# KiCad board FPGA-BOARDver3.kicad_pcb (continued)
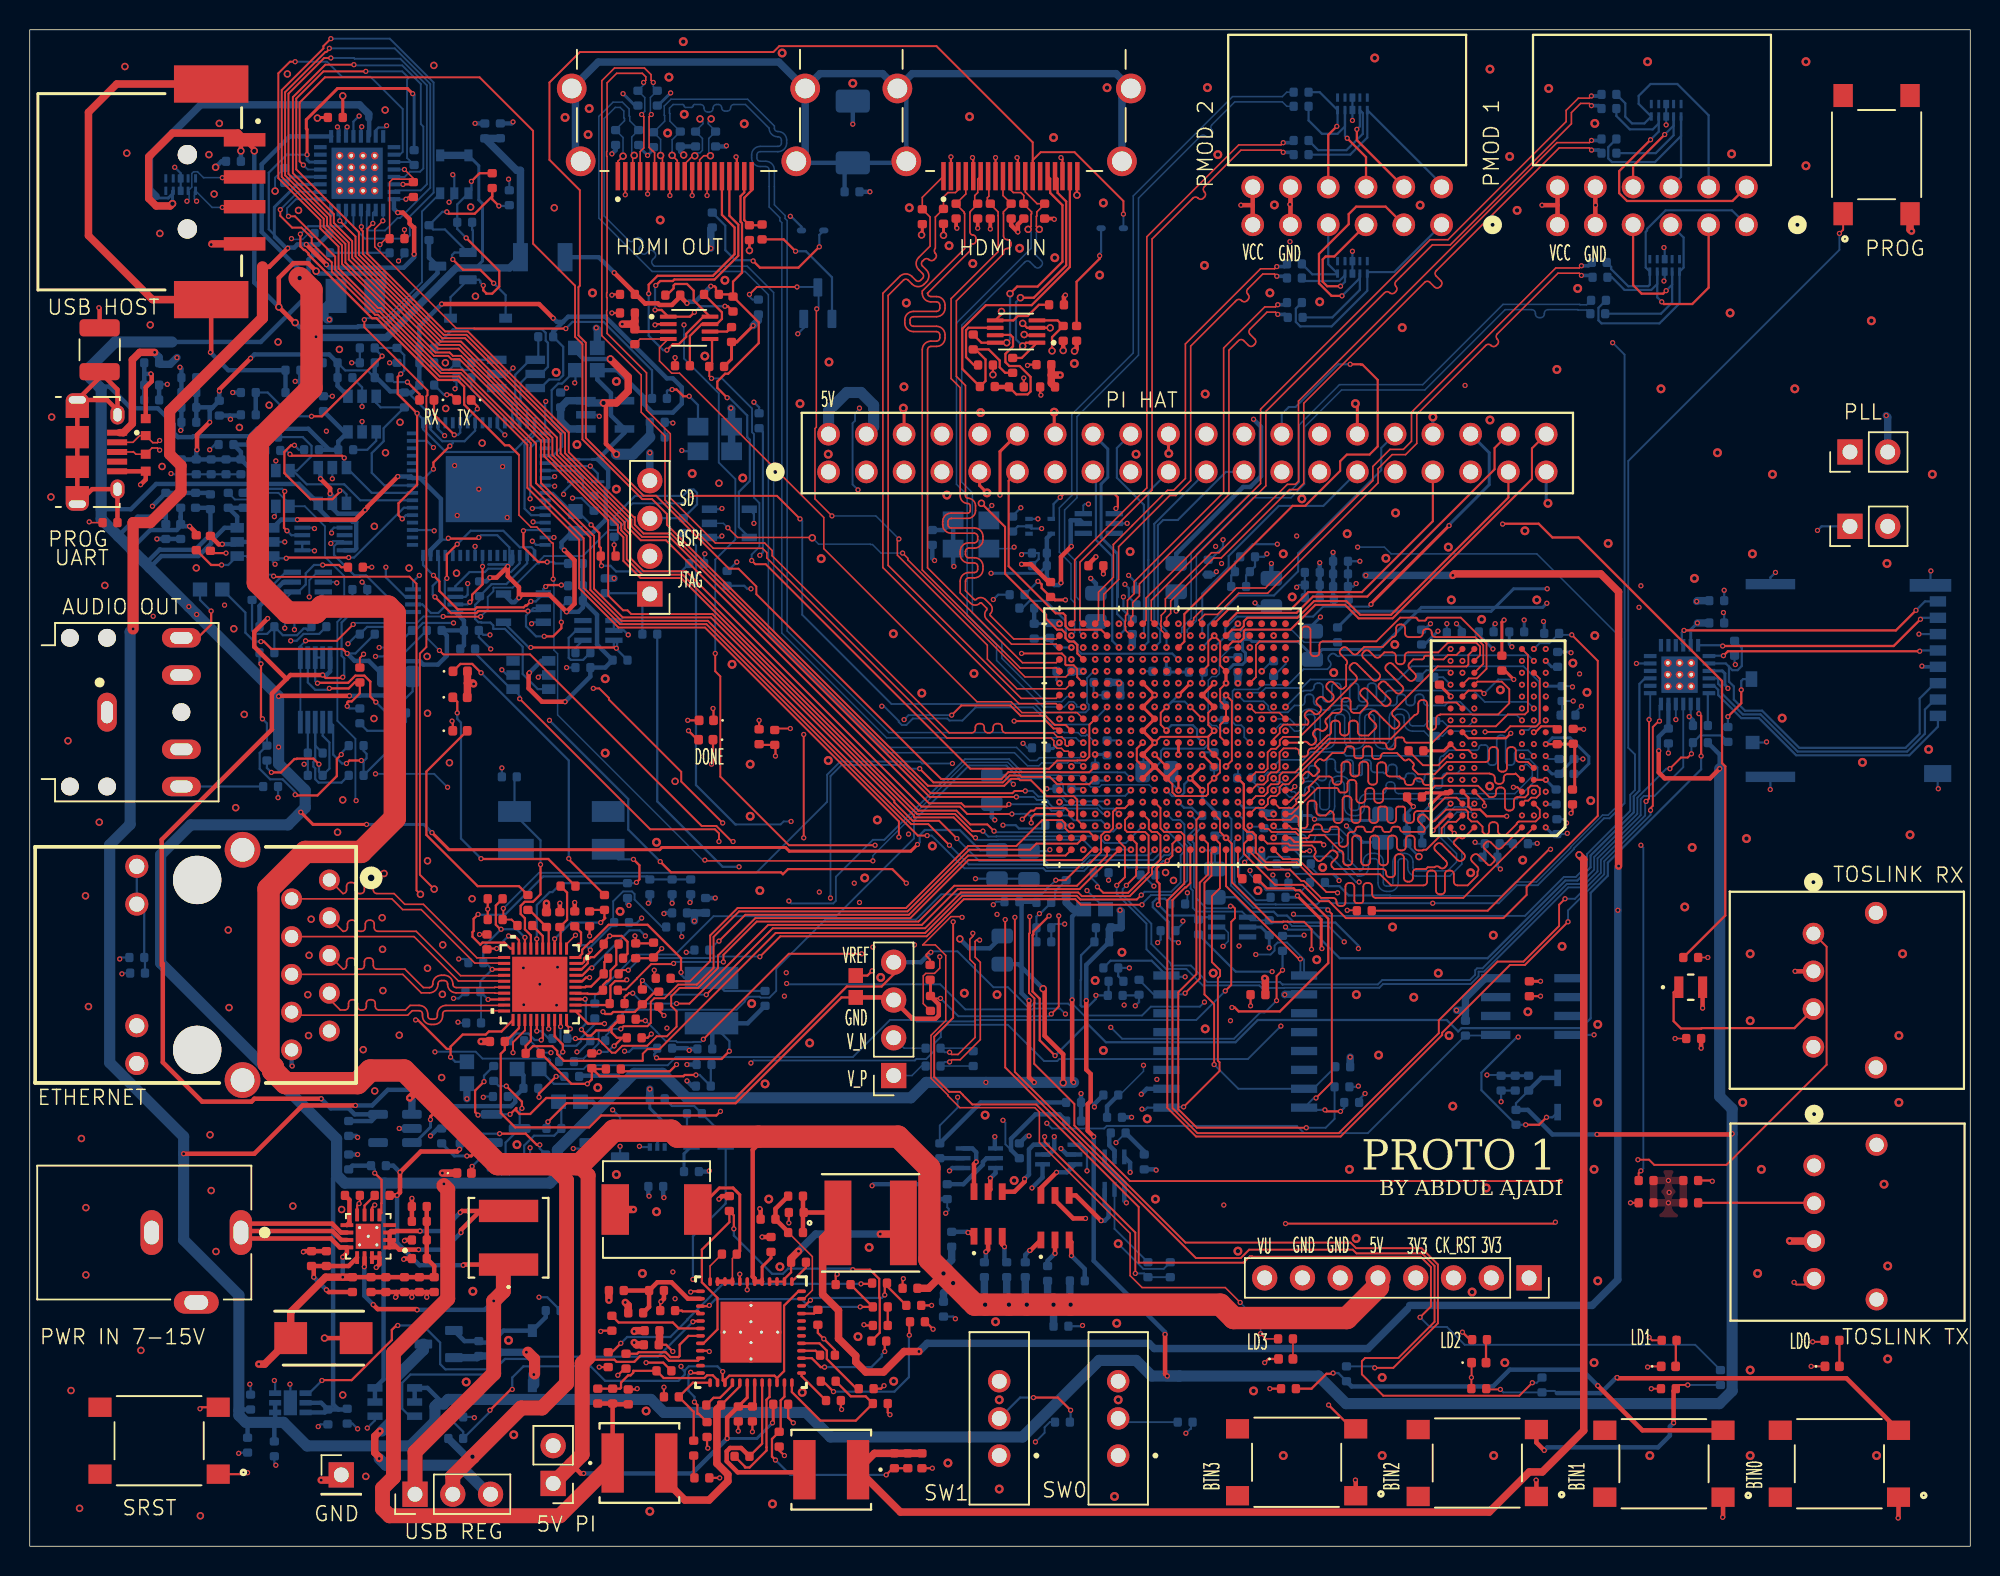
[diagram p0: board, top side]
## Routing (per net, layer and track width the routed paths; a pad name or vN(x,y) marks a point on that pad's centre or on a via; arc(x,y) is an arc through that point) (continued)
Net-(D26-PadA): length 7.3
  Top w0.15: v1(71.95,86.8) 71.95,86.6 70.4,85.05 R142.1
  Bottom w0.15: v1(71.95,86.8) 71.95,86.95 72.05,87.05 D26.A
Net-(D27-PadA): length 11.5
  Top w0.15: v1(53.1,87.4) 51.7,86 49.1,86 v1(48.65,86.45)
  Bottom w0.15: D27.A 53.1,88.2 v1(53.1,87.4) ; v1(48.65,86.45) 48.6,86.5 47.45,86.5 46.78,87.17 46.78,88.82 R143.1
Net-(DONE1-A): length 29.6
  Top w0.15: DONE1.1 45.98,56.32 v1(45.95,56.35)
  SIGNAL2.Cu w0.127: v1(64.8,63.67) 67.1,61.38 67.1,59.94 66.76,59.6 58.36,59.6 58.14,59.81 49.41,59.81 v1(45.95,56.35)
  Bottom w0.15: v1(64.8,63.67) 65.13,64 R115.2
Net-(F2-Pad2): length 5
  Top w0.15: J9.3 11.3,61.1 12.2,62 v1(12.2,62.9)
  Bottom w0.15: v1(12.2,62.9) 11.45,63.65 F2.2
Net-(IC1-ZQ): length 1.8
  Top w0.118: R95.1 95,56.75 95.95,56.75 IC1.L8
Net-(J4-Pin_1): length 5.9
  Bottom w0.15: R48.2 41.2,63.55 J4.1 41.65,64.1 R46.1
Net-(J4-Pin_3): length 11.1
  Bottom w0.15: R47.2 39.3,69.24 40.71,70.64 43.91,70.64 44.34,71.07 44.66,71.07 44.88,70.86 44.88,70.07 R49.2 41.72,69.15 J4.3
Net-(J5-Pin_1): length 73.2
  SIGNAL.Cu w0.15: J5.1 121.39,72.57 121.39,68.95 113.48,61.04 113.48,58.97 110.04,55.54 110.04,54.52 108.33,52.81 108.33,49.62 103.02,44.32 102.93,44.32 102.71,44.11 102.71,44.01 102.23,43.52 100,43.52 99.9,43.62 94.19,43.62 93.96,43.39 93.96,43.29 91.77,41.1 91,41.1 90.3,41.8 85.87,41.8 81.5,37.43 81.5,36.15 81.21,35.86 80.34,35.86 80.33,35.85 79.22,35.85 78.72,36.35 v1(74.35,36.35)
  Bottom w0.15: v1(74.35,36.35) 74.6,36.6 R40.1 74.55,37.05 R39.2
Net-(J8-Pin_1): length 68.3
  SIGNAL.Cu w0.15: v1(73.95,38.9) 77.17,38.9 78.02,39.75 81.85,39.75 84.22,42.12 92.34,42.12 95.09,44.88 96.65,44.88 96.7,44.82 97.1,44.82 97.15,44.88 102.53,44.88 102.83,44.57 102.92,44.57 108.08,49.73 108.08,58.82 109.7,60.45 111.2,60.45 113.52,62.77 113.52,62.96 118.89,68.32 v1(120.23,68.32)
  Bottom w0.15: J8.1 120.5,68.6 v1(120.23,68.32) ; R41.2 73.2,38.35 R42.1 v1(73.95,38.9)
Net-(J9-Pad2): length 5.5
  Bottom w0.15: R197.1 J9.2
Net-(J10-Pad19): length 4.5
  Top w0.15: R207.2 49.2,88.85 R154.2 48.05,89.2 48.05,90.7 48.55,91.2 J10.19
Net-(J11-Pad19): length 38.5
  Top w0.15: J11.19 70.42,92.12 v2(70.42,90.88)
  SIGNAL2.Cu w0.127: v2(70.42,90.88) 70.42,90.26 69.01,88.85 69,88.85 55.33,75.18 55.33,71.23 v1(48.5,64.4)
  Bottom w0.15: R152.1 48.05,64.6 48.25,64.4 v1(48.5,64.4)
Net-(J13-CD/DAT3^2): length 20.3
  Bottom w0.15: U13.22 113.5,58.37 113.55,58.32 113.55,58 113.8,57.75 113.8,57.35 115.2,55.95 116.39,55.95 118.89,53.45 126.25,53.45 127.45,54.65 127.45,56.27 128.12,56.95 J13.2
Net-(J13-CLK): length 15.6
  Top w0.15: v1(113.9,59.9) 114.2,60.2 v1(127.1,60.2)
  Bottom w0.15: J13.5 127.15,60.25 v1(127.1,60.2) ; U13.19 112.95,59.9 v1(113.9,59.9)
Net-(J13-CMD): length 25
  Bottom w0.15: 114.27,59.15 114.27,58.16 114.6,57.83 114.6,56.95 115.35,56.2 116.5,56.2 119,53.7 126.15,53.7 127.1,54.65 127.1,57.02 128.12,58.05 J13.3 ; 114.27,59.15 114.27,59.16 114.06,59.38 U13.20 ; 114.27,59.15 114.5,58.92 114.86,58.92 115.14,59.2 115.14,60.41 R186.1
Net-(J13-DAT0): length 16.9
  Top w0.15: v1(113.85,60.55) 125.35,60.55 v1(127.15,62.35)
  Bottom w0.15: v1(113.85,60.55) 113.8,60.6 U13.18 ; v1(127.15,62.35) 127.25,62.45 J13.7
Net-(J13-DAT1): length 19
  Top w0.15: v1(111.25,61.6) 125.5,61.6 v1(126.85,62.95)
  Bottom w0.15: U13.16 111.1,60.7 111.1,61.45 v1(111.25,61.6) ; v1(126.85,62.95) 127.45,63.55 J13.8
Net-(J13-DAT2): length 19.4
  Bottom w0.15: 113.3,57.87 U13.23 113.28,57.87 113.55,57.6 113.55,57.25 115.1,55.7 116.29,55.7 118.79,53.2 126.4,53.2 128.32,55.12 J13.1
Net-(J13-DETECT_SWITCH): length 4.2
  Top w0.15: v1(115.1,57.6) 115.1,56.7 v1(114.2,55.8)
  Bottom w0.15: v1(115.1,57.6) 115.1,58.2 115.23,58.32 J13.10 ; R184.2 v1(114.2,55.8)
Net-(J16-SHIELD): length 21.6
  Top w0.3: R112.1 J16.SH6 4.2,71.1 J16.SH4 J16.SH2 J16.SH3 J16.SH1 ; J16.SH1 5.2,77.1 5.9,76.4 J16.SH5 5.9,77.8 C203.1 4.7,78.6 J16.SH1
Net-(P1-P1): length 15.2
  Bottom w0.15: P1.1 114.48,89.85 110.01,89.85 108.76,88.6 108.76,88.49 108.67,88.41 108.67,86.01 U29.5 108.95,84.85 108.85,84.75 107.5,84.75 106.35,85.9 106.35,86.05 R71.2
Net-(P1-P2): length 14.8
  Top w0.15: P1.2 112.91,84.66 111.8,83.55 109.9,83.55 v1(109.75,83.7)
  Bottom w0.15: R72.2 106.4,85.35 107.25,84.5 109.05,84.5 109.45,84.9 U29.4 109.45,84 v1(109.75,83.7)
Net-(P1-P3): length 13.4
  Bottom w0.15: R73.2 105.49,83.29 105.49,82.45 105.7,82.25 109.6,82.25 110.95,83.6 U29.1 111.23,86.01 111.23,88.02 P1.3
Net-(P1-P4): length 14.9
  Top w0.15: v1(110.05,84.45) 109.85,84.25 108.4,84.25 107.83,84.82 P1.4
  Bottom w0.15: v1(110.05,84.45) 110.45,84.85 U29.2 110.45,83.65 109.7,82.9 R74.2
Net-(P1-P7): length 19.8
  Top w0.15: P1.7 114.51,90.48 107.42,90.48 106.89,91.01 106.89,92.49 v1(109,94.6)
  Bottom w0.15: v1(109,94.6) 109.55,95.15 U30.4 109.55,95.7 109.15,95.3 107.6,95.3 106.7,96.2 R79.2
Net-(P1-P8): length 16.3
  Bottom w0.15: R80.2 107.3,97.05 107.3,96.15 107.75,95.7 108.58,95.7 U30.5 108.2,97.01 108.2,97.55 109,98.35 110.8,98.35 112.91,96.24 P1.8
Net-(P1-P9): length 13.6
  Bottom w0.15: P1.9 111.05,92.11 U30.1 111.05,94.85 109.3,93.1 106.4,93.1 106.16,93.34 106.16,94.1 R81.2
Net-(P1-P10): length 11.5
  Top w0.15: v1(109.95,94.95) 107.83,92.83 P1.10
  Bottom w0.15: R82.2 109.35,93.7 110.55,94.9 U30.2 110.55,95.55 v1(109.95,94.95)
Net-(P2-P1): length 14.9
  Bottom w0.15: R67.2 85.14,83.24 85.14,82.35 85.44,82.05 87.55,82.05 89.95,84.45 U27.1 90.05,85.7 91.76,85.7 P2.1
Net-(P2-P2): length 19.5
  Top w0.15: v1(88.25,84.1) 87.55,84.1 86.7,84.95 86.7,86.92 88.7,88.92 88.7,89.6 89.2,90.1 91.19,90.1 P2.2
  Bottom w0.15: R68.2 87.6,82.65 89.45,84.5 U27.2 89.45,85.3 v1(88.25,84.1)
Net-(P2-P3): length 10.9
  Top w0.15: v1(88.15,84.75) 87.25,84.75 86.95,85.05 86.95,86.55 87.15,86.75 87.73,86.75 P2.3
  Bottom w0.15: v1(88.15,84.75) 88.45,85.05 U27.4 88.45,85.48 88.07,85.1 85.75,85.1 R69.2
Net-(P2-P4): length 6.2
  Bottom w0.15: R70.2 86.25,85.55 87.9,85.55 U27.5 87.33,86.22 P2.4
Net-(P2-P7): length 13.5
  Bottom w0.15: R75.2 88.8,93.6 89.95,94.75 U28.1 94.95,91.6 P2.7
Net-(P2-P8): length 12.6
  Top w0.15: v1(89.25,95.3) 89.25,94.58 P2.8
  Bottom w0.15: R76.2 86.65,93.9 88.55,93.9 89.65,95 89.65,96.4 U28.2 89.45,95.5 v1(89.25,95.3)
Net-(P2-P9): length 10.8
  Top w0.15: v1(88.6,94.7) 89.87,93.43 P2.9
  Bottom w0.15: R77.2 86,95.9 86.9,95 87.95,95 88.45,95.5 U28.4 88.45,94.85 v1(88.6,94.7)
Net-(P2-P10): length 7.9
  Top w0.15: v1(87.9,95.5) 87.33,94.93 P2.10
  Bottom w0.15: v1(87.9,95.5) 87.95,95.55 U28.5 86.75,97.8 R78.2
Net-(PWR1-A): length 51.1
  Top w0.15: PWR1.2 44.9,54.25 v1(44.3,54.85)
  SIGNAL2.Cu w0.127: v1(12.1,73.75) 12.7,73.15 12.7,70.04 10.34,67.67 10.34,63.02 12.59,60.76 15.12,60.76 17.04,58.85 19.44,58.85 19.55,58.96 19.85,58.96 19.96,58.85 21.2,58.85 21.65,58.4 27.75,58.4 31.3,54.85 v1(44.3,54.85)
  Bottom w0.15: v1(12.1,73.75) 12.45,74.1 R111.2
Net-(Q8-Pad3): length 6.5
  SIGNAL.Cu w0.15: v1(33.65,26.8) 33.65,26.88 34.14,27.38 35.92,27.38 v1(36.55,26.75)
  Bottom w0.15: R94.2 33.65,26.4 v1(33.65,26.8) ; Q8.3 37.18,26.75 v1(36.55,26.75)
Net-(Q9-Pad1): length 8.5
  Top w0.15: v1(51.5,87.1) 50.7,87.9 R207.1
  Bottom w0.15: 53.95,82.58 53.95,85.35 52.2,87.1 v1(51.5,87.1)
Net-(R10-Pad1): length 8.7
  Bottom w0.15: R9.1 17.03,61.27 17.97,61.27 18.42,61.72 18.58,61.72 18.69,61.61 18.72,61.61 R10.1 ; R9.1 R11.1 ; R9.1 15.97,61.36 15.18,61.36 14.95,61.59 R3.2
Net-(R15-Pad1): length 29.8
  Top w0.127: R15.1 98,10.55 v1(98.9,10.55)
  Top w0.3: S7.3 122.17,11.3 106.8,11.3 v1(106.75,11.35)
  Bottom w0.127: 102.7,10.3 102.55,10.45 101.8,10.45 R27.1 99.1,10.35 v1(98.9,10.55)
  Bottom w0.3: 102.7,10.3 105.65,10.3 106.7,11.35 v1(106.75,11.35)
Net-(R21-Pad1): length 31.7
  Top w0.15: R21.1 86.2,10.6 87.2,11.6 87.6,11.6 v1(87.65,11.65)
  Top w0.3: v1(105.45,10.8) 108.45,7.8 S6.3
  Bottom w0.15: v1(87.65,11.65) 88,11.65 R26.1
  Bottom w0.3: v1(105.45,10.8) 104.37,11.88 99.53,11.88 98.4,10.75 88.9,10.75 R26.1
Net-(R22-Pad1): length 16.9
  Top w0.127: R22.1 110.95,10.85 v1(111.5,10.85)
  Top w0.3: v1(101.85,6.45) 101.32,6.98 S8.3 ; R22.1 110.55,10.45 v1(110.55,8.3)
  Bottom w0.127: R25.1 v1(111.5,10.85)
  Bottom w0.3: v1(110.55,8.3) 110.3,8.05 110.3,7.45 109.5,6.65 102.05,6.65 v1(101.85,6.45)
Net-(R23-Pad1): length 85.1
  Top w0.15: R23.1 49.1,53.9 R24.1 50.15,53.85 v1(50.15,53.15) ; v1(87.35,9.5) 88.95,7.9 S9.3
  SIGNAL2.Cu w0.127: v1(87.35,9.5) 86.35,9.5 83.41,12.44 83.41,12.5 83.2,12.71 83.2,14.49 83.36,14.65 83.36,16.93 84.06,17.63 84.06,18.47 83.47,19.06 56.12,19.06 46.09,29.1 46.09,38.22 47.01,39.15 47.01,41.49 46.4,42.1 46.4,43.39 46.51,43.5 46.51,45.27 45.9,45.89 45.9,48.9 v1(50.15,53.15)
Net-(R33-Pad1): length 4.7
  SIGNAL.Cu w0.3: v1(68.9,27.55) 68.45,28 67.6,28 v1(67.2,27.6)
  Bottom w0.3: v1(67.2,27.6) 67.05,27.6 R33.1 ; v1(68.9,27.55) 68.9,26.7 68.55,26.35 U32.2
Net-(R34-Pad1): length 5.8
  Bottom w0.127: R34.1 72.95,21.35 U33.5
Net-(R35-Pad1): length 1.8
  Bottom w0.3: U33.2 72.95,26.61 72.6,26.96 72.6,27.7 R35.1
Net-(R44-Pad1): length 95.5
  Top w0.15: v1(14.65,4.95) 14.55,4.85 S2.1
  SIGNAL.Cu w0.15: v1(83.55,38.65) 83.55,37.27 76.06,29.77 72.92,29.77 67.65,24.5 67.25,24.5 61.83,19.07 51.98,19.07 51.23,18.32 48.28,18.32 47.92,18.67 43.48,18.67 v1(43.25,18.45)
  SIGNAL2.Cu w0.15: v1(14.65,4.95) 15.53,5.82 21.98,5.82 22.55,5.25 35.25,5.25 36.4,6.4 36.4,11.4 43.25,18.25 v1(43.25,18.45)
  Bottom w0.15: R44.1 81.1,38.65 v1(83.55,38.65)
Net-(R61-Pad1): length 4.1
  Bottom w0.3: U31.5 64.35,26.1 64.1,25.85 64.1,25.66 62.79,24.35 R61.1
Net-(R62-Pad1): length 1.6
  Bottom w0.3: U31.2 R62.1
Net-(R63-Pad1): length 5.9
  SIGNAL.Cu w0.3: v1(69.35,26.75) 69.35,27.3 v1(71.6,29.55)
  Bottom w0.3: R63.1 71.6,29.75 v1(71.6,29.55) ; v1(69.35,26.75) 69.75,26.35 U32.5
Net-(RX1-A): length 2.9
  Top w0.15: RX1.2 26.22,77.48 v1(25.4,78.3)
  Bottom w0.15: R219.2 24.5,78.3 v1(25.4,78.3)
Net-(SW0-B): length 4.1
  Bottom w0.127: SW0.2 73.45,8.35 R29.1
Net-(SW1-B): length 6.6
  Top w0.15: v1(70,9.15) 69.15,10 v1(67.5,10)
  Bottom w0.15: SW1.2 66.6,10 v1(67.5,10) ; R28.1 70,8.4 v1(70,9.15)
Net-(TX1-A): length 1.9
  Top w0.15: TX1.2 28.37,77.45 v1(28.05,77.45)
  Bottom w0.15: v1(28.05,77.45) 27.85,77.45 R220.2
Net-(U1C-PS_DDR_VRN_502): length 18.9
  Top w0.118: v1(87.95,43.95) 87.9,44 87.2,44 85.2,46 83.12,46 82.45,46.67 ; R7.2 89.23,42.77 v1(88.6,42.77)
  Top w0.127: U1.G5 81.64,51.26 81.64,48.29 81.89,48.04 82.21,48.04 82.44,47.81
  Top w0.14: 82.45,46.67 82.45,47.81 82.22,48.05 81.88,48.05 81.65,48.28 81.65,51.25 U1.G5
  SIGNAL.Cu w0.118: v1(87.95,43.95) 87.95,43.42 v1(88.6,42.77)
Net-(U1C-PS_DDR_VRP_502): length 0.8
  Bottom w0.127: R6.2 81.25,51.72 v1(81.25,52.45)
Net-(U1D-PS_MIO16_501): length 27.1
  Top w0.127: v1(46.35,40.7) 48.12,42.47 59.12,42.47 63.11,46.46 69.66,46.46 U1.A19
  Bottom w0.127: R239.1 46.3,40.7 v1(46.35,40.7)
Net-(U1D-PS_MIO17_501): length 47.4
  Top w0.127: U1.E14 73.64,49.64 73.09,49.64 72.85,49.4 72.85,48.28 72.61,48.04 72.29,48.04 72.05,47.8 72.05,46.7 71.2,45.85 70.7,45.85 69.65,44.8 v1(69,44.8)
  Bottom w0.127: 36.55,32.8 37.24,32.8 38.26,33.81 38.26,34.6 38.31,34.65 38.73,34.65 39.86,35.78 39.86,35.81 40.14,36.09 47.54,36.09 48.09,36.64 48.09,36.69 48.36,36.96 49.09,36.96 49.16,36.9 49.74,36.9 50.2,37.36 50.2,38.84 53.51,42.15 59.6,42.15 61.3,43.85 68.05,43.85 68.41,44.21 68.41,44.26 68.54,44.39 68.59,44.39 v1(69,44.8)
Net-(U1D-PS_MIO18_501): length 39.8
  Top w0.127: v1(39.75,34.8) 39.93,34.98 41.54,34.98 41.76,35.2 41.76,36.62 42,36.86 42.69,36.86 43.61,37.78 44.86,37.78 45.99,38.91 45.99,40.99 47.7,42.7 59.03,42.7 63.18,46.85 67.28,46.85 67.69,47.26 70.46,47.26 U1.B18
  Bottom w0.127: 38.75,34.35 39.2,34.8 v1(39.75,34.8)
  Bottom w0.15: 38.75,34.2 38.75,34.35
Net-(U1D-PS_MIO19_501): length 57.1
  SIGNAL.Cu w0.127: v1(35.05,33.2) 35.37,32.88 41.47,32.88 41.56,32.97 41.56,33.09 41.91,33.44 42.03,33.44 45.14,36.54 45.14,37.25 49.57,41.69 60.91,41.69 62.4,40.2 69.81,40.2 71.33,41.72 75.75,41.72 77.06,43.02 77.06,44.28 77.56,44.78 77.56,46.03 76.89,46.7 76.89,48.92 77.24,49.27
  Bottom w0.127: R237.1 33.65,34 34.45,33.2 v1(35.05,33.2)
  vias: v1(77.25,49.25)
Net-(U1D-PS_MIO20_501): length 43.8
  Top w0.127: v1(36.7,34.15) 36.74,34.11 38.23,34.11 39.14,33.2 39.39,33.2 39.85,33.66 41.53,33.66 42.16,34.3 42.85,34.3 43.5,34.95 43.5,35.99 43.14,36.35 43.14,36.99 43.7,37.55 44.95,37.55 46.29,38.89 46.29,39.74 48.8,42.25 59.22,42.25 63.12,46.15 70.76,46.15 71.46,46.85 U1.A17
  Bottom w0.127: v1(36.7,34.15) R238.1
Net-(U1D-PS_MIO21_501): length 45
  Bottom w0.127: v1(74.04,50.85) 73.67,50.48 69.78,50.48 69.49,50.76 69.49,51.25 69.09,51.65 66.55,51.65 65.69,52.51 63.16,52.51 59.46,48.81 59.46,47.61 54.23,42.38 45.99,42.38 43.41,39.8 40.79,39.8 38,37.01 R235.1
Net-(U1D-PS_MIO40_501): length 10.6
  Top w0.127: U1.D14 73.66,48.86 73.66,48.19 73.81,48.04 75.01,48.04 75.24,47.81 75.24,45.32 73.88,43.95 72.2,43.95 v1(71.8,44.35)
  Bottom w0.127: v1(71.8,44.35) 71.8,44.55 71.45,44.9 71.45,45.15
Net-(U1E-DONE_0): length 13.4
  Top w0.15: R114.2 68.05,64.45 68.05,64.7 67.85,64.9 v1(67.8,64.9)
  Top w0.2: 68.75,63.85 68.95,63.65 v1(69.65,63.65)
  SIGNAL2.Cu w0.127: v1(76.45,58.05) 75.2,59.3 74.7,59.3 74.45,59.55 74.45,60.58 73.35,61.67 71.63,61.67 v1(69.65,63.65)
  Bottom w0.15: R115.1 v1(67.8,64.9)
Net-(U1E-INIT_B_0): length 12.9
  Top w0.3: R54.2 71.2,66.05 v1(71.7,66.55)
  SIGNAL2.Cu w0.127: v1(71.7,66.55) 71.75,66.6 73.25,66.6 73.45,66.4 73.95,66.4 76.05,64.3 76.05,59.26 v1(77.25,58.06)
Net-(U1E-PROGRAM_B_0): length 15.7
  Bottom w0.1: R53.2 85.7,60.8 84.84,61.66 81.59,61.66 81.28,61.35 81.28,60.66 81.08,60.45 80.77,60.45 80,59.68 80,58.7 79.79,58.49 79.51,58.49 79.25,58.24 79.25,55.46 79.51,55.2 79.79,55.2 80.14,54.85 v1(80.46,54.85)
Net-(U1E-TCK_0): length 10.3
  SIGNAL2.Cu w0.127: v1(77.55,42.05) 78.4,42.9 78.4,48.28 78.42,48.3 78.42,48.72 78.55,48.85 78.55,50.06 78.05,50.56 v1(78.05,50.85)
  Bottom w0.127: v1(77.55,42.05) 77.55,41.9 R120.1
Net-(U1E-TDI_0): length 9.9
  SIGNAL.Cu w0.127: v1(77.85,43.95) 78,44.1 78.2,44.1 78.45,44.35 78.45,49.35 79.51,50.42 79.81,50.42 80.05,50.65 80.05,51.25 v1(80.46,51.66)
  Bottom w0.127: R119.1 77.85,43.35 v1(77.85,43.95)
Net-(U1E-TDO_0): length 8.3
  SIGNAL.Cu w0.127: v1(84.6,45.15) 84.6,45.2 83.28,46.52 83.28,47.79 82.22,48.85 81.94,48.85 81.69,49.1 81.69,49.4 81.44,49.65 81.12,49.65 80.45,50.32 v1(80.45,50.85)
  Bottom w0.127: R121.1 84.6,44.65 v1(84.6,45.15)
Net-(U1E-TMS_0): length 17.4
  SIGNAL2.Cu w0.127: v1(85.7,41.1) 84.02,41.1 81.34,43.78 81.34,46.15 81.63,46.44 81.63,52.72 81.48,52.88 80.83,52.88 v1(80.45,53.25)
  Bottom w0.15: v1(85.7,41.1) 85.65,41.05 R118.1
Net-(U1H-PS_MIO6_500): length 2.1
  Top w0.127: 81.45,44.85 81.25,45.05 U1.A5
Net-(U3-OSCI): length 8.3
  SIGNAL.Cu w0.15: v1(33.65,70.45) 33.9,70.2 35.35,70.2 v1(35.9,70.75)
  Bottom w0.15: U38.3 35.9,70.93 v1(35.9,70.75) ; v1(33.65,70.45) 33.65,73.87 34.13,74.35 U3.2
Net-(U3-REF): length 4.4
  Bottom w0.15: R51.1 37.65,70.65 37.19,71.11 37.19,71.88 36.72,72.35 U3.6
Net-(U3-RESET-): length 6
  Top w0.15: v1(33.2,68.3) 33.2,67.2 34.2,66.2 v1(34.8,66.2)
  Bottom w0.15: v1(33.2,68.3) 33.25,68.35 U3.14 ; v1(34.8,66.2) 35.22,66.2 35.32,66.1 R210.2
Net-(U5-RES_LED): length 7.8
  Top w0.15: R52.1 119.97,23.1 U5.2
Net-(U6-VCC): length 12.6
  Top w0.15: L1.1 110.55,37.25 110.55,35.32 111.04,34.82 112.42,34.82 112.44,34.85 118.67,34.85 U6.3
Net-(U8-OE): length 1.6
  Top w0.15: R131.2 46.89,81.7 U8.6
Net-(U8-VCCB): length 6.8
  Top w0.15: R240.2 46.55,82.99 46.55,82.55 46.2,82.2 U8.7 45.19,82.2 44.39,81.41 C17.1
Net-(U10A-+): length 9.5
  Top w0.15: v1(16.25,52.05) 16.9,52.05 17.8,52.95 17.95,52.95 17.98,52.97 19.08,52.97 v1(19.45,52.6)
  Bottom w0.15: v1(19.45,52.6) 19.45,52.1 C3.1 20.16,52.3 20.16,54.06 19.7,54.52 U10.2 ; R12.2 15.95,52.35 v1(16.25,52.05)
Net-(U10A--): length 8.8
  Bottom w0.15: R193.2 19.2,53.85 U10.3 19.2,52.88 19.08,52.76 19.08,52.44 19.2,52.32 19.2,51.59 19.43,51.36 20.97,51.36 R16.1
Net-(U10B-+): length 8.6
  Top w0.15: v1(21.35,56.5) 21.35,56.75 21.42,56.82 21.66,56.82 22.2,57.37 C177.1 21.85,58.1 21.45,57.7 v1(20.15,57.7)
  Bottom w0.15: R195.1 21.5,56.35 v1(21.35,56.5) ; v1(20.15,57.7) 20.05,57.6 19.2,57.6 18.7,58.1 U10.7
Net-(U10B--): length 12.1
  Top w0.15: v1(19.35,58.05) 19.38,58.07 21.42,58.07 21.9,58.55 22.5,58.55 22.9,58.16 22.9,57.15 v1(23.28,56.77)
  Bottom w0.15: C179.1 25.75,57.5 C178.2 24,56.05 v1(23.28,56.77) ; U10.9 U10.8 19.2,58.2 v1(19.35,58.05)
Net-(U11A-Y): length 5.1
  SIGNAL.Cu w0.15: v1(47.55,66.2) 48.7,67.35 v1(48.7,68.8)
  Bottom w0.15: v1(48.7,68.8) 48.7,69.44 U11.4 ; R152.2 46.95,65.6 v1(47.55,66.2)
Net-(U12-CLKOUT): length 1.8
  Top w0.15: U12.35 34.5,41.05 R171.2
Net-(U12-DVDD33): length 13
  Top w0.15: v1(36.92,40.42) 37.08,40.57 37.08,41.27 R156.1 ; v1(37.7,40.1) 37.7,39.95 37.28,39.53 37.28,39.32 37.16,39.2 U12.29
  Bottom w0.127: C58.1 39.24,42.01 39.24,43.38 39.9,44.04 40.5,44.04 40.67,43.87 40.67,43.5 42.52,41.65 C56.1
  Bottom w0.15: 39.3,41.9 37.7,40.3 v1(37.7,40.1) 37.38,40.42 v1(36.92,40.42)
Net-(U12-LED0/CFG_EXT): length 4.6
  Top w0.15: R173.1 36.14,43.96 36.14,42.13 R177.1 35.7,41.6 U12.32
Net-(U12-LED1/CFG_LDO0): length 6.2
  Top w0.15: v1(38.4,41.95) 38.7,42.25 38.65,42.3 R175.1 37.75,42.8 R178.2 ; U12.33 v1(35.3,40.85)
  Bottom w0.15: v1(35.3,40.85) 36.4,41.95 v1(38.4,41.95)
Net-(U12-LED2/CFG_LDO1): length 3.2
  Top w0.15: R174.1 33.6,42.8 R176.1 34.9,41.5 U12.34
Net-(U12-REG_OUT/LDO_OUT): length 16.3
  Top w0.15: U12.30 36.9,39.6 37.15,39.85 37.15,40.12 37.71,40.67 37.81,40.67 38.93,41.8 41.55,41.8 43.8,39.55 v1(43.8,38.6)
  Bottom w0.15: v1(43.8,38.6) 43.8,38.45 44.03,38.22 L2.1 46.73,37.35 R180.1
Net-(U12-RSET): length 3.2
  Top w0.15: R172.2 30.8,40.2 v1(31.4,40.2) ; v1(32.2,41.05) 32.61,41.05 32.9,40.76 U12.39
  Bottom w0.15: v1(32.2,41.05) 31.85,40.7 31.85,40.65 v1(31.4,40.2)
Net-(U12-RXC/PHYAD1): length 12.6
  Top w0.15: U12.27 37.16,38.4 37.66,38.9 v1(37.8,38.9) ; 42.1,38.35 R161.1 42,38.3 v1(42,38.75) ; v1(42.5,40.2) 41.95,39.65 C59.1 41.9,39.55 R158.1
  SIGNAL.Cu w0.15: v1(41.4,41.05) 41.65,41.05 v1(42.5,40.2) 42.7,40.2 42.95,39.95 42.95,39.73 42.42,39.2 42.3,39.2 42,38.9 v1(42,38.75)
  Bottom w0.15: v1(37.8,38.9) 40.33,41.42 41.03,41.42 v1(41.4,41.05)
Net-(U12-RXCTL/PHYAD2): length 8.2
  Top w0.15: v1(37.65,38.25) 37.4,38.25 37.15,38 U12.26 ; v1(38.55,35.95) 38.7,35.8 39.1,35.8 39.23,35.93 40.69,35.93 R162.1 42.05,37.3 R159.1
  SIGNAL.Cu w0.15: v1(38.55,35.95) 38.55,37.35 v1(37.65,38.25)
Net-(U12-RXD0/RXDLY): length 3.4
  Top w0.15: R169.2 38.65,39.3 38.65,38.55 R166.1 37.75,37.65 37.4,37.65 37.35,37.6 U12.25
Net-(U12-RXD1/TXDLY): length 5.5
  Top w0.15: R167.2 39.45,40.34 39.45,39.1 39.06,38.71 39.06,38.2 38.87,38.02 38.81,38.02 38.55,37.75 38.55,37.45 38.25,37.15 37.53,37.15 37.51,37.17 36.73,37.17 U12.24
Net-(U12-RXD2/PLLOFF): length 10.8
  Top w0.15: R164.1 39.67,35.45 39.41,35.19 ; v1(39.3,33.65) 39.85,34.2 R157.1 39.49,34.2 39.12,34.56 39.12,34.91 39.41,35.19 ; v1(38.3,33.25) 38.2,33.15 R168.2 ; v1(37.1,34.75) 37.5,34.35 37.75,34.35 38.1,34.7 38.92,34.7 39.41,35.19 ; U12.23 v1(37.35,36.8)
  Bottom w0.15: v1(37.35,36.8) 37.4,36.75 37.4,35.15 37.1,34.85 v1(37.1,34.75) ; v1(38.3,33.25) 38.85,33.25 39.25,33.65 v1(39.3,33.65)
Net-(U12-RXD3/PHYAD0): length 16
  Top w0.15: U12.22 38.9,36.4 R163.1 39.05,36.55 39.05,37.7 39.37,38.02 40.06,38.02 v1(40.15,38.1) ; v1(43.5,32.4) 43.05,31.95 39.9,31.95 R160.2
  SIGNAL.Cu w0.15: v1(42.85,34.85) 40.92,36.77 40.92,37.36 40.18,38.1 v1(40.15,38.1)
  SIGNAL2.Cu w0.15: v1(43.5,32.4) 43.5,34.25 42.9,34.85 v1(42.85,34.85)
Net-(U12-XTAL_IN): length 14
  Top w0.15: v1(40.6,46.2) 41,45.8 41,44.85 v1(40.8,44.65) ; U12.36 v1(34.1,40.85)
  Bottom w0.15: Y1.1 39.58,46.2 v1(40.6,46.2) ; v1(34.1,40.85) 34.1,43.13 34.97,44 35.15,44 35.75,44.6 C60.1 40.75,44.6 v1(40.8,44.65)
Net-(U12-XTAL_OUT/EXT_CLK): length 13.5
  Top w0.15: v1(34.35,45.85) 34.35,43.85 33.84,43.34 33.29,43.34 33.02,43.07 33.02,42.53 33.3,42.24 33.3,41.49 33.7,41.09 U12.37
  Bottom w0.15: C61.1 32.6,51.6 Y1.3 32.6,49.23 34.35,47.48 v1(34.35,45.85)
Net-(U13-SEL): length 2.2
  Bottom w0.15: R179.2 112.85,57.3 U13.24
Net-(U14-EN): length 7.1
  Top w0.3: U14.13 21.45,18.85 R89.1 C28.1 19.1,18.7 v1(19.1,18.1) ; v1(19.95,17.25) 20.1,17.1 R90.2
  Bottom w0.3: v1(19.95,17.25) v1(19.1,18.1)
Net-(U14-FB): length 5.3
  Top w0.15: v1(23.2,25.1) 23.66,24.64 23.66,23.07 23.64,23.06 23.64,22.41 U14.5
  Bottom w0.15: v1(23.2,25.1) 23.2,25.35 R88.2
  Bottom w0.3: R88.2 21.7,25.6 R87.1
Net-(U14-FSW): length 1.6
  Top w0.15: U14.7 22.52,22.91 R91.2
Net-(U14-SS/TR): length 2.2
  Top w0.3: U14.9 21.5,21.77 21.5,23.3 C29.1
Net-(U14-SW@1): length 19.1
  Top w0.3: U14.2 U14.3 24.3,21.2 v1(26.25,21.2) ; U14.2 24.85,19.95 v1(26.15,19.95) ; U14.2 U14.1 ; v1(28.95,22.45) 29.05,22.55 L3.2 30.29,22.55 29,21.27 v1(29,21.1)
  Bottom w0.3: v1(26.25,21.2) 26.2,21.2 27.7,21.2 v1(28.95,22.45) ; v1(29,21.1) 27.85,19.95 v1(26.15,19.95)
Net-(U21A-Y1): length 3.1
  Bottom w0.15: R3.1 16.35,64.65 17.21,65.51 U21.6
Net-(U22-CB1): length 1.7
  Top w0.15: U22.1 52.2,18.75 C168.1
Net-(U22-CB2): length 2.2
  Top w0.1: U22.12 45.75,18.85 C165.1
Net-(U22-CB3): length 2.5
  Top w0.15: U22.28 47.25,10.82 46.42,9.98 45.98,9.98 C162.1
Net-(U22-CB4): length 7.6
  Top w0.15: C155.1 48.1,5.35 48.1,5.3 48.41,5.3 49.55,6.44 49.55,6.65 49.55,6.66 49.55,9.85 49.73,10.03 49.75,10.03 U22.33
Net-(U22-COMP1): length 8.8
  Top w0.15: v1(52.5,16.55) 52.1,16.15 U22.46 ; C149.2 57.65,17.5 R97.2 57.5,17.55 v1(57.5,16.9)
  Bottom w0.15: v1(57.5,16.9) 57.3,16.7 52.65,16.7 v1(52.5,16.55)
Net-(U22-COMP2): length 14.1
  Top w0.15: v1(55.85,16.1) R98.2 C151.2 ; v1(45.7,16.2) 45.65,16.15 U22.15
  Bottom w0.15: v1(55.85,16.1) 52.42,16.1 51.89,16.62 46.12,16.62 v1(45.7,16.2)
Net-(U22-COMP3): length 5.9
  Top w0.15: R100.2 44.65,9.05 C159.2 44.6,11 U22.25
Net-(U22-COMP4): length 10.5
  Top w0.15: R101.2 55.21,10.09 56.21,10.09 C153.2 55.55,8.45 53.18,8.45 51.25,10.37 U22.36
Net-(U22-I2CALERT): length 5.4
  Top w0.15: U22.41 53.11,13.65 53.61,13.15 53.61,12.59 55.6,10.6 R206.2
Net-(U22-RCLOCK_SYNC): length 1.4
  Top w0.15: R102.2 52.85,13.15 U22.40
Net-(U22-SS1/PG1): length 1.2
  Top w0.15: C148.2 52.75,15.65 U22.45
Net-(U22-SS2/PG2): length 1.8
  Top w0.15: U22.16 44.95,15.8 43.9,15.8 43.85,15.85 C157.2
Net-(U22-SS3/PG3): length 4.7
  Top w0.15: v1(44.45,11.7) 44.5,11.65 U22.24 ; C160.2 45,8.9 44.9,8.9 44.9,9.5 v1(44.7,9.7)
  Bottom w0.15: v1(44.45,11.7) 44.3,11.55 44.3,10.45 44.7,10.05 v1(44.7,9.7)
Net-(U22-SS4/PG4): length 2.5
  Top w0.15: U22.37 51.9,11.45 C154.2
Net-(U22-SW1): length 11.3
  Top w0.15: U22.4 U22.3 U22.2 50.75,17.98 51.2,18.43 C168.2
  Top w0.5: L10.2 58,21 v1(57.2,21) ; C168.2 51.2,19.35 v1(51.7,19.85)
  Bottom w0.5: v1(57.2,21) 52.85,21 v1(51.7,19.85)
Net-(U22-SW2): length 10.7
  Top w0.1: U22.9 47.25,19.35 C165.2
  Top w0.2: L5.2 46.38,24.1 47.29,24.1 47.75,23.64 47.75,19.85 C165.2
  Top w0.3: U22.11 U22.10 U22.9
Net-(U22-SW3): length 14
  Top w0.15: C162.2 47.75,10.75 U22.29
  Top w0.5: C162.2 46.21,9.21 46.21,5.57 46.95,4.83 46.95,4.37 45.68,3.11 44.06,3.11 42.81,4.36 L6.2
Net-(U22-SW4): length 13.6
  Top w0.15: U22.32 49.25,6.9 C155.2 ; L7.2 52,5.05
  Top w0.3: C155.2 47.84,6.61 47.09,6.61 46.87,6.39 46.87,5.71 47.61,4.97 51.92,4.97 L7.2
Net-(U22-VDDA): length 6.2
  Top w0.15: C146.1 40.85,12.95 40.95,13.05 42.77,13.05 43.09,12.72 43.63,12.72 43.7,12.8 43.7,13.56 44.3,14.15 U22.19
Net-(U22-VDDG): length 6.3
  Top w0.15: U22.18 43.65,14.65 43.25,15.05 39.6,15.05 C143.2
Net-(U22-VFB1): length 8.7
  Top w0.1: C169.2 51.02,21.1 52.63,19.49 52.63,17.22 52.06,16.65 U22.47
  Top w0.3: R109.2 50.15,22.7 R110.1 51,21.15 C169.2
Net-(U22-VFB2): length 7.5
  Top w0.3: C166.2 41.65,16.1 R108.1 ; R108.1 R107.2 ; R108.1 42.21,17.76 43.15,17.76 44.26,16.65 U22.14
Net-(U22-VFB3): length 9.4
  Top w0.15: R105.2 C163.2 39.7,10.6 39.77,10.66 39.77,11.01 40.25,11.5 40.4,11.5 40.59,11.68 40.59,11.8 R106.1 42.64,11.31 45.37,11.31 45.55,11.5 45.93,11.5 46.25,11.18 U22.26
Net-(U22-VFB4): length 15.1
  Top w0.15: U22.35 50.75,10.06 50.5,9.81 50.5,7.8 R104.1 49.92,7.22 49.92,6.03 v1(50.15,5.8) ; v1(57.6,4.8) 58.05,5.25 R103.2 C161.2
  Bottom w0.15: v1(50.15,5.8) 51.15,4.8 v1(57.6,4.8)
Net-(U24-OE): length 4.9
  Top w0.15: R124.2 63.5,79.45 62.96,79.98 62.96,81.79 63.13,81.95 64.92,81.95 U24.6
Net-(U24-VCCB): length 8.9
  Top w0.15: C24.1 66.35,77.47 67.11,77.47 67.3,77.67 67.3,78.65 66.58,79.38 65.88,79.38 65.61,79.64 65.61,80.2 66.13,80.71 66.13,81.3 65.95,81.47 64.95,81.47 U24.7
  Top w0.3: C24.1 64.92,77.97 R241.2
Net-(U26-VDD15): length 2.6
  Bottom w0.2: U26.12 17.55,92.1 C188.2
Net-(U37-DI): length 1.8
  Bottom w0.15: R211.2 29.9,79.8 U37.3
Net-(U40-A2): length 10.7
  Top w0.15: v1(39.45,60.4) 39.4,60.45 v1(33.7,60.45)
  Bottom w0.15: v1(39.45,60.4) 39.5,60.45 39.5,60.72 U40.3 39.28,60.52 R214.2 ; v1(33.7,60.45) 33.56,60.45 U41.4
Net-(Y2-OUT): length 80.1
  SIGNAL2.Cu w0.104: v1(66.2,67.2) 66.8,67.2 67.15,66.85 70.15,66.85 71.4,68.1 84.49,68.1 85.39,67.2 89.3,67.2 v1(89.3,67.2)
  Bottom w0.104: 91.5,43.75 98.99,43.75 99.92,44.68 101.32,44.68 103.62,46.98 103.62,47.03 105.77,49.18 106.15,49.18 107.03,50.06 107.03,61.07 101.35,66.75 91.55,66.75 91.1,67.2 v1(89.3,67.2) ; v1(66.2,67.2) 66.1,67.1 Y2.3
  Bottom w0.15: 91.5,43.75 91.48,43.77 88.7,43.77 88.08,44.4 87.35,44.4 R50.2

## Copper pours and planes (outline as drawn; the poured copper is in the pictures)
+1V0 on PWR.Cu: 76.55,72.3 76.45,63.15 90.25,63.25 90.2,72.4
+1V5 on PWR.Cu: 80.8,62 80.75,45.75 104.87,45.75 104.95,62 102.52,62
+1V8 on PWR.Cu: 76.2,41.25 80.15,41.25 79.95,59.4 76.2,59.4
+3V3 on Top: 108.7,25.3 108.7,22.15 111.8,22.1 111.75,25.3
+3V3 on PWR.Cu: 70.25,40.3 130.35,40.45 130.5,0 70.7,0.1
+3V3 on PWR.Cu: 70.7,51.9 74.65,51.95 74.7,67.2 70.8,67.2
+3V3 on PWR.Cu: 106.75,102 106.2,40.65 130.35,40.45 130.5,102
+3V3 on PWR.Cu: -0.7,102 0.05,0 70.7,0.1 70.9,102.05
+3V3 on PWR.Cu: 74.65,62.35 79.95,62.35 79.95,60.15 74.65,60.2
+3V3 on PWR.Cu: 70.9,102.05 106.75,102 106.5,74.75 70.65,75.05
GNDREF on GND.Cu, GND2.Cu, GND3.Cu: -0.05,102.05 -0.05,-0.05 130.55,-0.05 130.55,102.05
VCC1V8_IO on PWR.Cu: 72.1,50.6 71.95,41.25 75.85,41.25 75.9,50.55

## Text on the board
F.Silkscreen: RX | TX | QSPI | JTAG | SD | DONE | 5V | VREF | GND | V_N | V_P | VCC | LD3 | VU | 3V3 | CK_RST | LD2 | LD1 | LD0 | BTN3 | BTN2 | BTN1 | BTN0 | ETHERNET | PWR IN 7-15V | USB HOST | PROG | UART | AUDIO OUT | SRST | USB REG | 5V PI | HDMI OUT | SW1 | HDMI IN | SW0 | PI HAT | TOSLINK | TOSLINK TX | PLL | PMOD 2 | PMOD 1 | BY ABDUL AJADI | PROTO 1
